# KiCad board geeks-ecu.kicad_pcb (continued)
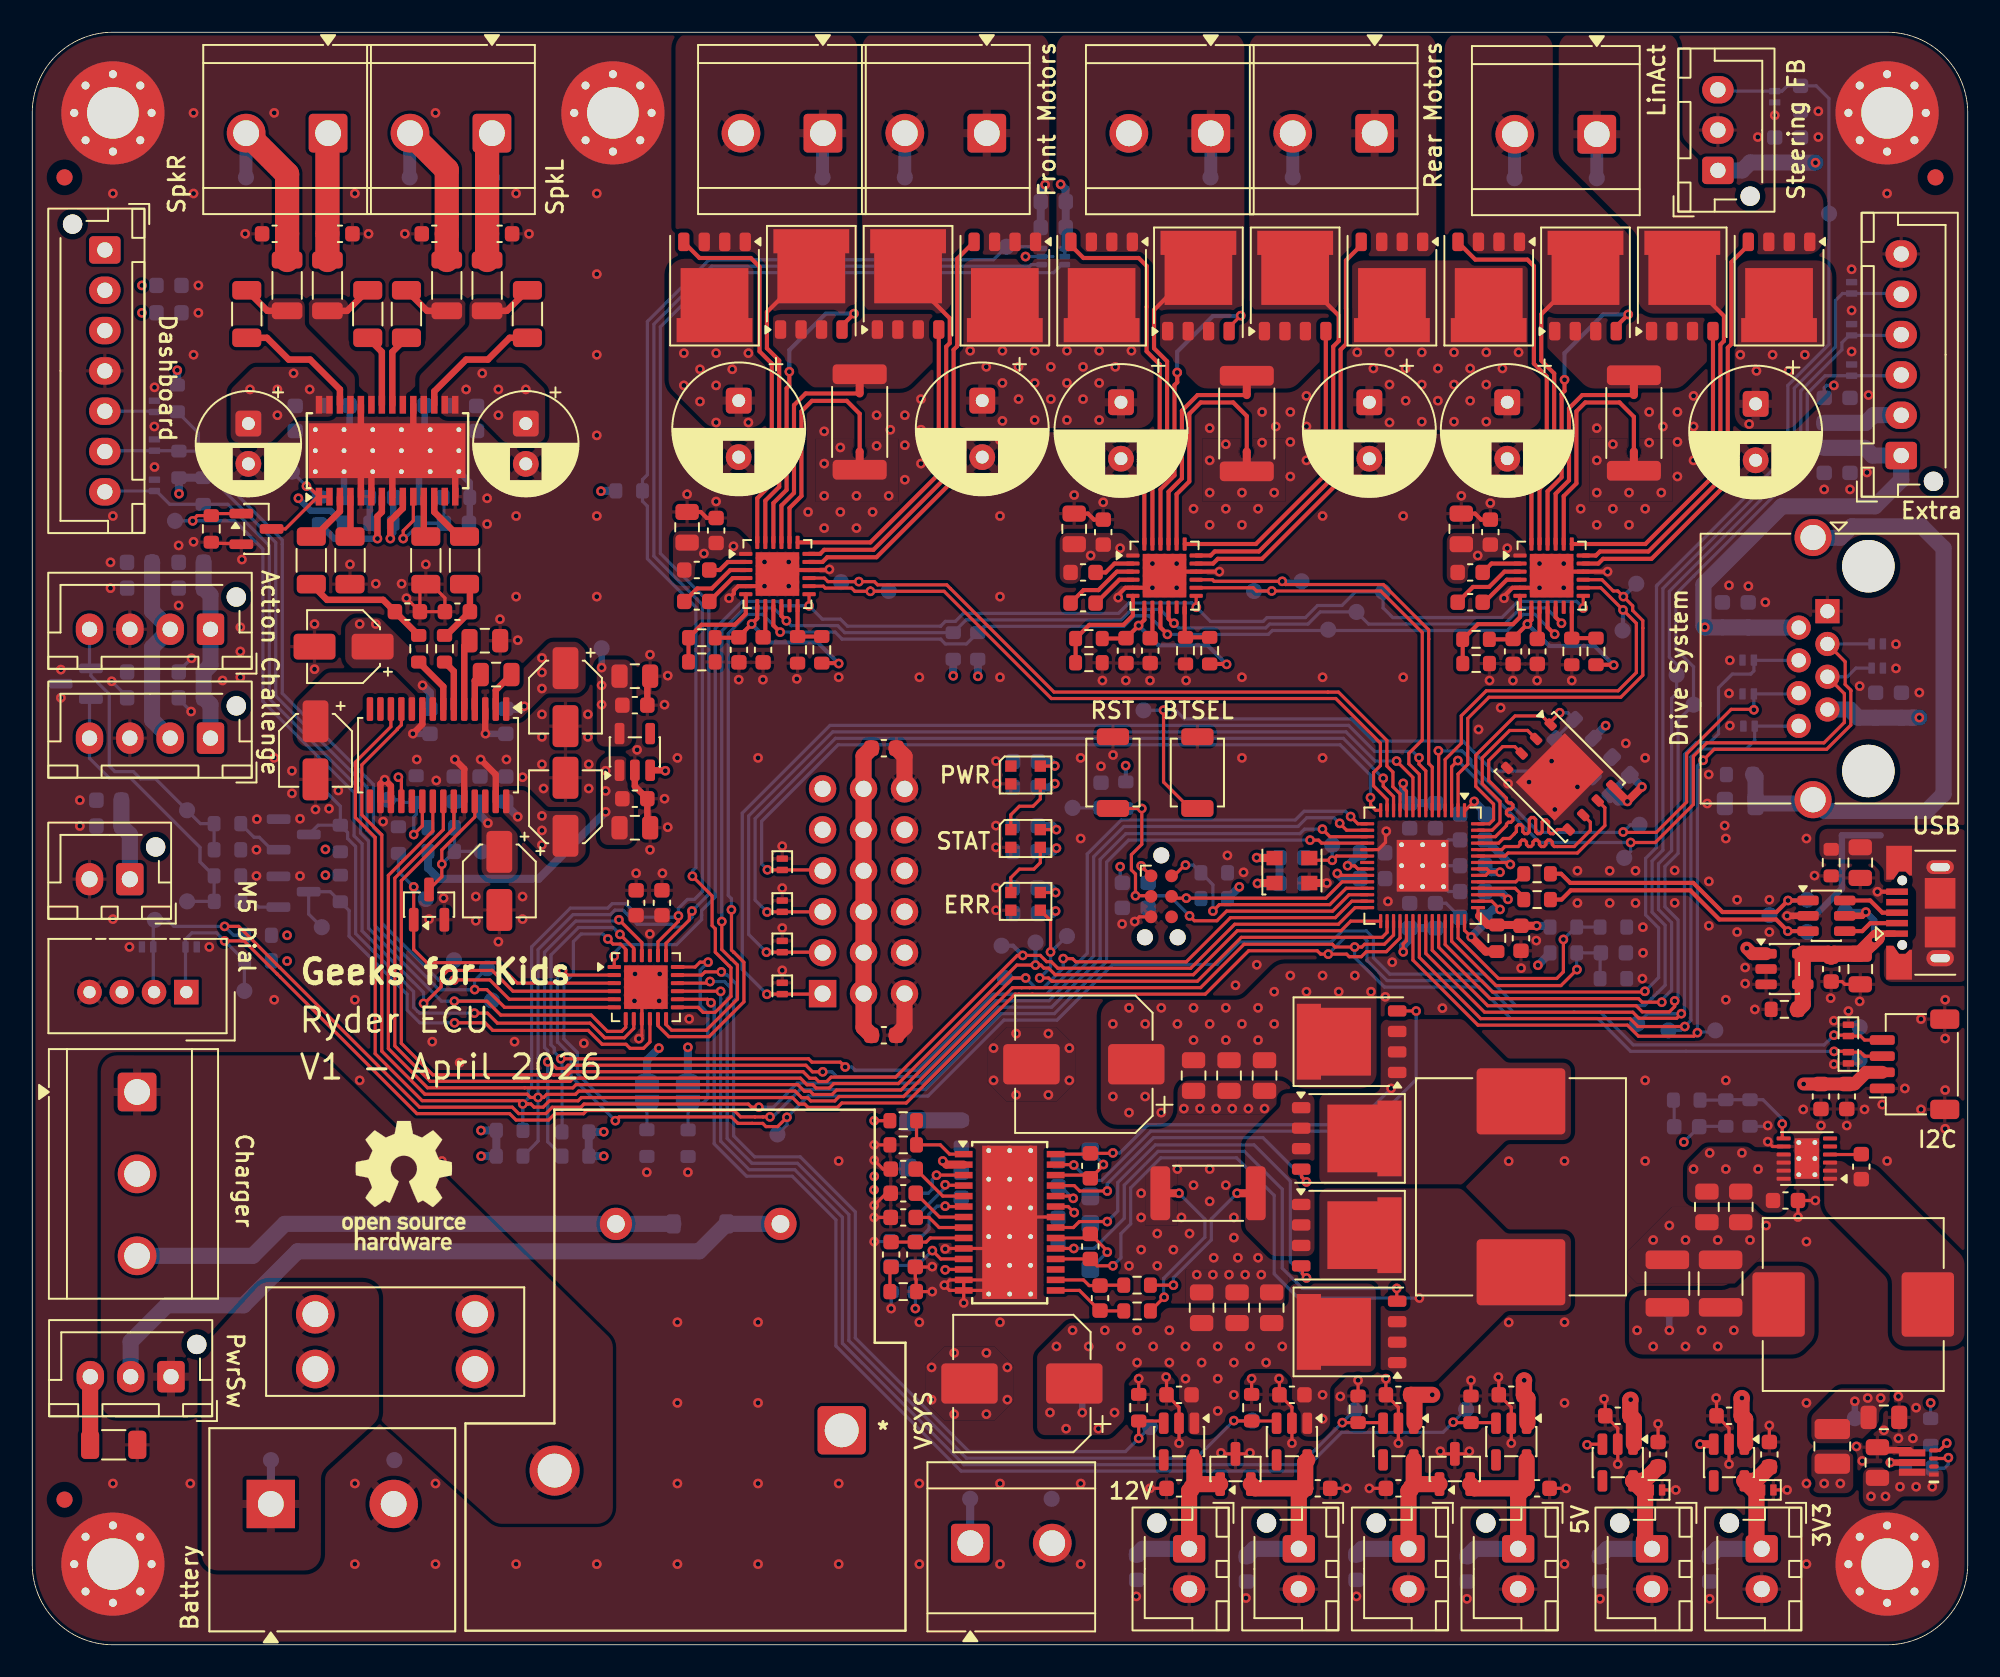
[diagram p0: board, top side]
## Placement (name value [footprint] x y rotation side) (continued)
R414  4.7kΩ  [R_0603_1608Metric]  29.6 30.3 0 bottom
R415  2.2kΩ  [R_0603_1608Metric]  14 44 180 bottom
R416  2.2kΩ  [R_0603_1608Metric]  14 42.41 180 bottom
R417  10kΩ  [R_0603_1608Metric]  33.68 30.3 180 bottom
R418  93.1kΩ  [R_0603_1608Metric]  94.93 42.91 0 bottom
R419  10kΩ  [R_0603_1608Metric]  98.03 41.31 0 bottom
R420  10kΩ  [R_0603_1608Metric]  40.66 31.1 270 bottom
R421  10kΩ  [R_0603_1608Metric]  33.68 31.8 180 bottom
R422  10kΩ  [R_0603_1608Metric]  38.11 31.11 270 bottom
R423  10kΩ  [R_0603_1608Metric]  8.99 77.29 270 bottom
R424  10kΩ  [R_0603_1608Metric]  9.09 73.2 90 bottom
R425  10kΩ  [R_0603_1608Metric]  10.6 71.55 270 bottom
R426  10kΩ  [R_0603_1608Metric]  58.62 61.94 90 bottom
R427  10kΩ  [R_0603_1608Metric]  57.1 61.94 90 bottom
R428  10kΩ  [R_0603_1608Metric]  37.01 71.56 0 bottom
R501  10kΩ  [R_0603_1608Metric]  19.1 46.9 270 bottom
R502  10kΩ  [R_0603_1608Metric]  19.1 50 90 bottom
R503  1kΩ  [R_0603_1608Metric]  12.11 46.1 180 bottom
R504  1kΩ  [R_0603_1608Metric]  12.1 50.92 180 bottom
R505  10kΩ  [R_0603_1608Metric]  12.1 47.68 0 bottom
R506  10kΩ  [R_0603_1608Metric]  12.1 49.3 0 bottom
R507  280kΩ  [R_0603_1608Metric]  105.86 53.97 180 bottom
R601  4.7kΩ  [R_0603_1608Metric]  41.51 62.45 180 top
R602  3.3kΩ  [R_0603_1608Metric]  41.51 60.95 0 top
R603  4.7kΩ  [R_0603_1608Metric]  48.95 61.7 90 top  (not fitted)
R604  200kΩ  [R_0603_1608Metric]  47.45 61.7 270 top
R605  8mΩ  [R_2512_6332Metric]  51.3 75.83 270 top
R701  4.7kΩ  [R_0603_1608Metric]  65.51 62.4 180 top
R702  3.3kΩ  [R_0603_1608Metric]  65.51 60.9 0 top
R703  4.7kΩ  [R_0603_1608Metric]  73 61.65 90 top  (not fitted)
R704  200kΩ  [R_0603_1608Metric]  71.5 61.65 270 top
R705  8mΩ  [R_2512_6332Metric]  75.3 75.73 270 top
R801  4.7kΩ  [R_0603_1608Metric]  89.51 62.35 180 top
R802  1kΩ  [R_0603_1608Metric]  89.52 60.85 0 top
R803  4.7kΩ  [R_0603_1608Metric]  96.95 61.6 90 top  (not fitted)
R804  200kΩ  [R_0603_1608Metric]  95.45 61.6 270 top
R805  8mΩ  [R_2512_6332Metric]  99.3 75.77 270 top
R901  10kΩ  [R_0603_1608Metric]  22.7 49.9 90 bottom
R902  10kΩ  [R_0603_1608Metric]  23.8 53.07 270 bottom
R903  5.11kΩ  [R_0603_1608Metric]  25.36 49.2 0 bottom
R904  10kΩ  [R_0603_1608Metric]  25.36 50.67 180 bottom
R905  470Ω  [R_0603_1608Metric]  25.56 61.77 90 top
R906  470Ω  [R_0603_1608Metric]  23.96 61.77 90 top
R907  10kΩ  [R_0603_1608Metric]  11.1 69.2 270 top
R908  280kΩ  [R_0603_1608Metric]  17.8 70.35 90 bottom
R909  10Ω  [R_0603_1608Metric]  20.1 69.55 0 bottom
R910  10kΩ  [R_0603_1608Metric]  23.2 69.55 0 bottom
R911  5.11kΩ  [R_0603_1608Metric]  26.3 71.15 0 bottom
REF**  -  [OSHW-Logo_7.5x8mm_SilkScreen]  23.03 28.48 0 top
REF**#2  -  [OSHW-Logo_7.5x8mm_SilkScreen]  94.57 31.71 180 bottom
SW401  SPST  [SW_SPST_TS-1088-xR020]  72.24 54.09 270 top
SW402  SPST  [SW_SPST_TS-1088-xR020]  67 54.09 270 top
TP101  TestPoint_Small  [TestPoint_Pad_D1.0mm]  88.9 14.6 180 bottom
TP102  TestPoint_Small  [TestPoint_Pad_D1.0mm]  75.65 13.9 180 bottom
TP103  TestPoint_Small  [TestPoint_Pad_D1.0mm]  82 14.55 180 bottom
TP104  TestPoint_Small  [TestPoint_Pad_D1.0mm]  69.3 13.5 180 bottom
TP105  TestPoint_Small  [TestPoint_Pad_D1.0mm]  60.3 41.35 180 bottom
TP106  TestPoint_Small  [TestPoint_Pad_D1.0mm]  62.2 43.55 180 bottom
TP107  TestPoint_Small  [TestPoint_Pad_D1.0mm]  113.3 38.3 180 bottom
TP108  TestPoint_Small  [TestPoint_Pad_D1.0mm]  24.4 46.25 180 bottom
TP109  TestPoint_Small  [TestPoint_Pad_D1.0mm]  50.15 65.9 180 bottom
TP110  TestPoint_Small  [TestPoint_Pad_D1.0mm]  82.1 64.05 180 bottom
TP111  TestPoint_Small  [TestPoint_Pad_D1.0mm]  78.7 65.95 180 bottom
TP112  TestPoint_Small  [TestPoint_Pad_D1.0mm]  99.45 65.8 180 bottom
TP113  TestPoint_Small  [TestPoint_Pad_D1.0mm]  60.1 43.35 180 bottom
TP114  TestPoint_Small  [TestPoint_Pad_D1.0mm]  113.3 36.3 180 bottom
TP115  TestPoint_Small  [TestPoint_Pad_D1.0mm]  8.85 69.7 180 bottom
TP116  TestPoint_Small  [TestPoint_Pad_D1.0mm]  83.75 65.3 180 bottom
TP117  TestPoint_Small  [TestPoint_Pad_D1.0mm]  53.1 65.35 180 bottom
TP118  TestPoint_Small  [TestPoint_Pad_D1.0mm]  80.35 62.95 180 bottom
TP119  TestPoint_Small  [TestPoint_Pad_D1.0mm]  75.75 65.35 180 bottom
TP120  TestPoint_Small  [TestPoint_Pad_D1.0mm]  98.6 62.9 180 bottom
TP121  TestPoint_Small  [TestPoint_Pad_D1.0mm]  46.2 31.65 180 bottom
TP122  TestPoint_Small  [TestPoint_Pad_D1.0mm]  101.95 60.15 180 bottom
TP123  TestPoint_Small  [TestPoint_Pad_D1.0mm]  103 58.3 180 bottom
TP124  TestPoint_Small  [TestPoint_Pad_D1.0mm]  28.5 39.95 180 bottom
TP125  TestPoint_Small  [TestPoint_Pad_D1.0mm]  28.2 41.95 180 bottom
TP126  TestPoint_Small  [TestPoint_Pad_D1.0mm]  26.15 42.45 180 bottom
TP127  TestPoint_Small  [TestPoint_Pad_D1.0mm]  17.7 52.95 180 bottom
TP128  TestPoint_Small  [TestPoint_Pad_D1.0mm]  17.95 44.5 180 bottom
TP129  TestPoint_Small  [TestPoint_Pad_D1.0mm]  7.6 44.95 180 bottom
TP130  TestPoint_Small  [TestPoint_Pad_D1.0mm]  13.15 40.55 180 bottom
TP135  TestPoint_Small  [TestPoint_Pad_D1.0mm]  111.4 88.75 180 bottom
TP136  TestPoint_Small  [TestPoint_Pad_D1.0mm]  99.5 38.5 180 bottom
TP137  TestPoint_Small  [TestPoint_Pad_D1.0mm]  104.35 38.1 180 bottom
TP138  TestPoint_Small  [TestPoint_Pad_D1.0mm]  98.7 48.8 180 bottom
TP139  TestPoint_Small  [TestPoint_Pad_D1.0mm]  99.65 50.85 180 bottom
TP140  TestPoint_Small  [TestPoint_Pad_D1.0mm]  101.45 38.1 180 bottom
TP141  TestPoint_Small  [TestPoint_Pad_D1.0mm]  58.15 9.05 180 bottom
TP142  TestPoint_Small  [TestPoint_Pad_D1.0mm]  63.2 9.05 180 bottom
TP143  TestPoint_Small  [TestPoint_Pad_D1.0mm]  14.8 11.45 180 bottom
TP144  TestPoint_Small  [TestPoint_Pad_D1.0mm]  22.45 11.45 180 bottom
TP145  TestPoint_Small  [TestPoint_Pad_D1.0mm]  28.5 91 180 bottom
TP146  TestPoint_Small  [TestPoint_Pad_D1.0mm]  23.4 91 180 bottom
TP147  TestPoint_Small  [TestPoint_Pad_D1.0mm]  18.35 91 180 bottom
TP148  TestPoint_Small  [TestPoint_Pad_D1.0mm]  13.25 91 180 bottom
TP149  TestPoint_Small  [TestPoint_Pad_D1.0mm]  54.1 91 180 bottom
TP150  TestPoint_Small  [TestPoint_Pad_D1.0mm]  49 91 180 bottom
TP151  TestPoint_Small  [TestPoint_Pad_D1.0mm]  78.15 91 180 bottom
TP152  TestPoint_Small  [TestPoint_Pad_D1.0mm]  73.05 91 180 bottom
TP153  TestPoint_Small  [TestPoint_Pad_D1.0mm]  97 90.95 180 bottom
TP154  TestPoint_Small  [TestPoint_Pad_D1.0mm]  91.9 90.95 180 bottom
TP201  TestPoint_Small  [TestPoint_Pad_D1.0mm]  65.1 15.9 180 bottom
TP301  TestPoint_Small  [TestPoint_Pad_D1.0mm]  101.5 20.75 180 bottom
TP302  TestPoint_Small  [TestPoint_Pad_D1.0mm]  113 14.05 180 bottom
TP401  TestPoint_Small  [TestPoint_Pad_D1.0mm]  80.6 49.6 180 bottom
TP402  TestPoint_Small  [TestPoint_Pad_D1.0mm]  64.15 43.95 180 bottom
TP403  TestPoint_Small  [TestPoint_Pad_D1.0mm]  64.5 51.9 180 bottom
TP404  TestPoint_Small  [TestPoint_Pad_D1.0mm]  68.9 57.95 180 bottom
TP405  TestPoint_Small  [TestPoint_Pad_D1.0mm]  110.05 46.2 180 bottom
TP406  TestPoint_Small  [TestPoint_Pad_D1.0mm]  110.05 44.2 180 bottom
TP407  TestPoint_Small  [TestPoint_Pad_D1.0mm]  112.4 45.45 180 bottom
TP408  TestPoint_Small  [TestPoint_Pad_D1.0mm]  107.7 45.25 180 bottom
TP409  TestPoint_Small  [TestPoint_Pad_D1.0mm]  60.4 86.7 180 bottom
TP501  TestPoint_Small  [TestPoint_Pad_D1.0mm]  9.6 46.1 180 bottom
TP502  TestPoint_Small  [TestPoint_Pad_D1.0mm]  9.6 51.75 180 bottom
TP901  TestPoint_Small  [TestPoint_Pad_D1.0mm]  22.05 52.4 180 bottom
TP902  TestPoint_Small  [TestPoint_Pad_D1.0mm]  27.85 49.2 180 bottom
TP903  TestPoint_Small  [TestPoint_Pad_D1.0mm]  35.3 61.8 180 bottom
TP904  TestPoint_Small  [TestPoint_Pad_D1.0mm]  16.1 72.75 180 bottom
U201  LM5176PWP  [HTSSOP-28-1EP_4.4x9.7mm_P0.65mm_EP3.4x9.5mm_ThermalVias]  60.6 26.2 0 top
U202  TMI6240  [SOT-23-5]  91.7 12.6 270 top
U203  TMI6240  [SOT-23-5]  84.7 12.6 270 top
U204  TMI6240  [SOT-23-5]  78.1 12.6 270 top
U205  TMI6240  [SOT-23-5]  71.1 12.6 270 top
U301  LMR51450SDRRR  [WSON-12-1EP_3x3mm_P0.5mm_EP1.5x2.5mm_ThermalVias]  110.02 30.15 180 top
U302  TLV62085  [RLT0007A]  117 11.3 180 top
U303  TMI6240  [SOT-23-5]  98.3 11.3 270 top
U304  TMI6240  [SOT-23-5]  105.2 11.3 270 top
U401  W25Q128JVP  [WSON-8-1EP_6x5mm_P1.27mm_EP3.4x4.3mm]  94.7 53.81 315 top
U402  USBLC6-2SC6  [SOT-23-6]  111.24 45.21 0 top
U403  TPS2065CDBVx-2  [SOT-23-5]  108.63 41.91 0 top
U404  RP2040  [QFN-56-1EP_7x7mm_P0.4mm_EP3.2x3.2mm_ThermalVias]  86.2 48.31 270 top
U405  AW9523B  [QFN-24-1EP_4x4mm_P0.5mm_EP2.7x2.7mm]  38.04 40.78 0 top
U406  TMP102xxDRL  [SOT-563]  63.3 86.09 0 bottom
U601  DRV8701P  [Texas_RGE0024H_VQFN-24-1EP_4x4mm_P0.5mm_EP2.7x2.7mm]  46.2 66.4 0 top
U701  DRV8701P  [Texas_RGE0024H_VQFN-24-1EP_4x4mm_P0.5mm_EP2.7x2.7mm]  70.2 66.3 0 top
U801  DRV8701P  [Texas_RGE0024H_VQFN-24-1EP_4x4mm_P0.5mm_EP2.7x2.7mm]  94.2 66.3 0 top
U901  PCM5121PW  [TSSOP-28_4.4x9.7mm_P0.65mm]  25.16 55.17 270 top
U902  AP2127K-3.3  [SOT-23-5]  37.36 55.37 90 top
U903  TPA3110D2  [HTSSOP-28-1EP_4.4x9.7mm_P0.65mm_EP3.4x9.5mm_Mask2.4x6.17mm_ThermalVias]  22 74.05 90 top
Y401  12MHz  [Oscillator_SMD_EuroQuartz_XO32-4Pin_3.2x2.5mm]  78.1 48.01 90 top

## Library data of the parts
C201 C202 = -: Datasheet: https://www.lcsc.com/datasheet/C696363.pdf; Description: CAP CER 15nF 25V C0G 0603; MPN: C696363; ki_fp_filters: C_*
C203 = -: Datasheet: https://www.lcsc.com/datasheet/C107038.pdf; Description: CAP CER 150pF 50V NP0 0603; MPN: C107038; ki_fp_filters: C_*
C204 = -: Datasheet: https://www.lcsc.com/datasheet/C311667.pdf?spm=wm.sxq.inf.ggs___wm.fly.bg.0.xh&lcsc_vid=ElldVlQDQlVXA1BeQgUMVlBQEVdaUVcARVFWXlFXRlcxVlNRQFJaV1NVR1ddUDsOAxUeFF5JWBYZEEoKFBINSQcJGk4eFQsCAgIaSgADAwAHC0slRlJdU1NRWQkaCgg%3D; Description: CAP ALUM HYBRID 68uF ±20% 50V SMD; MPn: C46528111; MPN: C311667; ki_fp_filters: CP_*
C205 C206 C208 C301-C303 C409 C604 C704 C804 C904 C913 = -: Datasheet: https://www.lcsc.com/datasheet/C2932476.pdf; Description: CAP CER 10uF 50V X5R 0805; MPN: C2932476; ki_fp_filters: C_*
C207 = -: Datasheet: https://www.lcsc.com/datasheet/C1622.pdf; Description: CAP CER 47nF 50V X7R 0603; MPN: C1622; ki_fp_filters: C_*
C209 = -: Datasheet: https://www.lcsc.com/datasheet/C107041.pdf; Description: CAP CER 180pF 50V NP0 0603; MPN: C107041; ki_fp_filters: C_*
C210 = -: Description: CAP CER 47pF 50V C0G 0603; MPN: C513324; ki_fp_filters: C_*
C211 C212 C215 C217 C228-C231 C304 C305 C314 C315 C405-C408 C410 C413-C415 C417-C419 C421-C423 C426-C429 C431 C433 C435 C506-C510 C512 C514 C518-C520 C524-C526 C603 C605 C703 C705 C803 C805 C901 C905-C909 C914 C926 C933 = -: Datasheet: https://www.lcsc.com/datasheet/C14663.pdf; Description: CAP CER 100nF 50V X7R 0603; MPN: C14663; ki_fp_filters: C_*
C213 C220-C227 C309 C310 C312 C313 C401-C403 C411 C412 C416 C420 C424 C425 C430 C432 C434 C501-C505 C511 C513 C515 C516 C521-C523 C601 C602 C606 C701 C702 C706 C801 C802 C806 C923 C924 C938 = -: Datasheet: https://www.lcsc.com/datasheet/lcsc_datasheet_2210171730_Samsung-Electro-Mechanics-CL10B105KB8NQNC_C5199872.pdf; Description: CAP CER 1uF 50V X7R 0603; MPN: C5199872; ki_fp_filters: C_*
C214 C216 C218 C306 = -: Description: CAP CER 22uF 25V X5R 0805; MPN: C5677683; ki_fp_filters: C_*
C219 = -: Datasheet: https://www.lcsc.com/datasheet/C133477.pdf?spm=wm.sxq.inf.ggs___wm.fly.bg.1.xh&lcsc_vid=ElldVlQDQlVXA1BeQgUMVlBQEVdaUVcARVFWXlFXRlcxVlNRQFJaV1VfRlVZUjsOAxUeFF5JWBYZEEoKFBINSQcJGk4eFQsCAgIaSgADAwAHC0slRldYVEoOAwwC; Description: CAP ALUM POLY 270uF ±20% 16V SMD; MPn: C2161621; MPN: C133477; ki_fp_filters: CP_*
C307 = -: Datasheet: https://www.lcsc.com/datasheet/C1663.pdf?spm=wm.sxq.inf.ggs___wm.ssy.bg.0.xh&lcsc_vid=ElldVlQDQlVXA1BeQgUMVlBQEVdaUVcARVFWXlFXRlcxVlNRQFJaV1VUTldcVzsOAxUeFF5JWBYZEEoKFBINSQcJGk4dAgUUFAk%3D; Description: CAP CER 33pF 50V C0G 0603; MPN: C1663; ki_fp_filters: C_*
C308 C311 = -: Datasheet: https://lcsc.com/datasheet/lcsc_datasheet_2410121645_Chinocera-HGC1210R5476M250NSVK_C7432791.pdf; Description: CAP CER 47uF 25V X5R 1210; MPN: C7432791; ki_fp_filters: C_*
C404 C517 = -: Datasheet: https://www.lcsc.com/datasheet/C565695.pdf; Description: CAP CER 4.7nF 1kV X7R 0805; MPN: C565695; ki_fp_filters: C_*
C607 C608 C707 C708 C807 C808 = -: Datasheet: https://www.lcsc.com/datasheet/C106559.pdf; Description: CAP ALUM 100uF ±20% 50V TH; MPN: C106559; ki_fp_filters: CP_*
C902 C903 C910 C917 C918 = -: Datasheet: https://www.lcsc.com/datasheet/C72485.pdf; Description: CAP ALUM 10uF ±20% 35V SMD; MPN: C72485; ki_fp_filters: CP_*
C911 C912 = -: Datasheet: https://www.lcsc.com/datasheet/C19110.pdf; Description: CAP CER 2.2uF 25V X7R 0805; MPN: C19110; ki_fp_filters: C_*
C915 C916 = -: Datasheet: https://www.lcsc.com/datasheet/C77033.pdf; Description: CAP CER 2.2nF 50V C0G 0603; MPN: C77033; ki_fp_filters: C_*
C919-C922 = -: Datasheet: https://www.lcsc.com/datasheet/C97946.pdf; Description: CAP CER 100nF 50V C0G 1206; MPN: C97946; ki_fp_filters: C_*
C925 C932 = -: Datasheet: https://www.lcsc.com/datasheet/C47891.pdf; Description: CAP ALUM 100uF ±20% 50V TH; MPN: C47891; ki_fp_filters: CP_*
C927-C930 = -: Datasheet: https://www.lcsc.com/datasheet/C464977.pdf; Description: CAP CER 220nF 50V C0G 1206; MPN: C464977; ki_fp_filters: C_*
C931 C934-C937 C939 = -: Datasheet: https://www.lcsc.com/datasheet/C77026.pdf; Description: CAP CER 1nF 50V C0G 0603; MPN: C77026; ki_fp_filters: C_*
D101 = -: Datasheet: https://www.lcsc.com/datasheet/C7420318.pdf?spm=wm.sxq.inf.ggs___wm.fly.bg.0.xh&lcsc_vid=RlhXVFwCQQVaU1dQQ1AMXwIARQBdUV1fRABaVVZTRVAxVlNRQFBaVFBVR1hWUjsOAxUeFF5JWBYZEEoKFBINSQcJGk4%3D; Description: DIODE GP 100V 150mA SOD-123; MPN: C7420318; ki_fp_filters: TO-???* *_Diode_* *SingleDiode* D_*
D201-D203 = -: Datasheet: https://www.lcsc.com/datasheet/C2922179.pdf; Description: DIODE SCHOTTKY 60V SOD-123FL; MPN: C2922179; ki_fp_filters: TO-???* *_Diode_* *SingleDiode* D_*
D204 D205 D502 = -: Description: TVS DIODE 12VWM 19VC SOT-23; MPN: C32677
D301 D302 D404 D405 D501 D503-D519 = -: Description: ESD DIODE 5VWM 10VC 13VC 15VC DFN1006-2L; MPN: C110694; ki_fp_filters: TO-???* *_Diode_* *SingleDiode* D_*
D401-D403 = -: Datasheet: https://cdn-shop.adafruit.com/product-files/4684/4684_WS2812B-2020_V1.3_EN.pdf; Description: RGB LED with integrated controller, 2.0 x 2.0 mm, 12 mA; MPN: C965555; ki_fp_filters: LED*WS2812*-2020_PLCC4*
F101 = -: Datasheet: https://www.lcsc.com/datasheet/C5249699.pdf?spm=wm.sxq.inf.ggs___wm.ssy.bg.0.xh&lcsc_vid=ElldVlQDQlVXA1BeQgUMVlBQEVdaUVcARVFWXlFXRlcxVlNRQFJdXl1UR1dYVjsOAxUeFF5JWBYZEEoKFBINSQcJGk4eFQsCAgIaSgADAwAHC0slRldeU1RSWQkaCgg%3D; Description: FUSE BLOCK BLADE 500V 30A PCB; MPN: C5249699; ki_fp_filters: *Fuse*
FB901-FB904 = -: Datasheet: https://datasheet.lcsc.com/lcsc/2205091530_YJYCOIN-YI321611Z121-6R0T_C3011219.pdf; Description: FERRITE BEAD 120Ω 1206 1LN; MPN: C3011219; ki_fp_filters: Inductor_* L_* *Ferrite*
FID101-FID106 = -: Description: Fiducial Marker; ki_fp_filters: Fiducial*
H101-H105 = -: Description: Mounting Hole with connection; ki_fp_filters: MountingHole*Pad*
J101 = -: Datasheet: https://www.lcsc.com/datasheet/C5873515.pdf; Description: TERM BLK 2POS 7.62mm; MPN: C5873515; ki_fp_filters: TerminalBlock*:*
J102 = -: Datasheet: https://www.lcsc.com/datasheet/C3820511.pdf; Description: TERM BLK 3POS 5.08mm; MPN: C3820511; ki_fp_filters: TerminalBlock*:*
J103 = -: Datasheet: https://www.lcsc.com/datasheet/C161870.pdf; Description: CONN HEADER TH 3POS 2.5mm; MPN: C161870; ki_fp_filters: Connector*:*_1x??_*
J104-J111 = -: Datasheet: https://www.lcsc.com/datasheet/C3816270.pdf; Description: TERM BLK 2POS 5.08mm; MPN: C3816270; ki_fp_filters: TerminalBlock*:*
J201-J204 J504 = -: Datasheet: https://www.lcsc.com/datasheet/C495547.pdf; Description: CONN HEADER TH 2POS 2.5mm; MPN: C495547; ki_fp_filters: Connector*:*_1x??_*
J301 = -: Datasheet: https://www.lcsc.com/datasheet/C158012.pdf; Description: CONN HEADER TH 2POS 2.5mm; MPN: C495685; ki_fp_filters: Connector*:*_1x??_*
J302 = -: Datasheet: https://www.lcsc.com/datasheet/C495547.pdf; Description: CONN HEADER TH 2POS 2.5mm; MPN: C717172; ki_fp_filters: Connector*:*_1x??_*
J401 = -: Datasheet: https://www.lcsc.com/datasheet/C397452.pdf; Description: CONN RCPT Micro-B 5POS SMD; MPN: C397452; ki_fp_filters: USB*Micro*B*
J402 = -: Datasheet: https://www.tag-connect.com/wp-content/uploads/bsk-pdf-manager/TC2030-CTX_1.pdf; Description: Tag-Connect ARM Cortex SWD JTAG connector, 6 pin, no legs; ki_fp_filters: *TC2030*
J403 = -: Datasheet: https://www.lcsc.com/datasheet/C160404.pdf?spm=wm.sxq.inf.ggs___wm.ssy.bg.1.xh&lcsc_vid=ElldVlQDQlVXA1BeQgUMVlBQEVdaUVcARVFWXlFXRlcxVlNRQFJdXlxWRFVcVzsOAxUeFF5JWBYZEEoKFBINSQcJGk4dAgUUFAk%3D; Description: CONN HEADER SMD R/A 4POS 1mm; MPN: C160404; ki_fp_filters: Connector*:*_1x??-1MP*
J501 J502 = -: Datasheet: https://www.lcsc.com/datasheet/C161871.pdf; Description: CONN HEADER TH 4POS 2.5mm; MPN: C161871; ki_fp_filters: Connector*:*_1x??_*
J503 = -: Description: CONN HEADER TH 4POS 2.0mm; MPN: 110990030; ki_fp_filters: Connector*:*_1x??_*
J505 = -: Datasheet: https://www.lcsc.com/datasheet/C161874.pdf?spm=wm.sxq.inf.ggs___wm.ssy.bg.1.xh&lcsc_vid=QFUPAQYHE1RXBFVSQVFcU11UQFYPAlEEElZaVgJXT1gxVlNRQFNaUlRWT1JdVTsOAxUeFF5JWBYZEEoKFBINSQcJGk4eFQsCAgIaSgADAwAHC0slRldfX1NXWQkaCgg%3D; Description: CONN HEADER TH 7POS 2.5mm; MPN: C161874; ki_fp_filters: Connector*:*_1x??_*
J507 = -: Description: RJ connector, 8P8C (8 positions 8 connected), Shielded; ki_fp_filters: 8P8C* RJ31* RJ32* RJ33* RJ34* RJ35* RJ41* RJ45* RJ49* RJ61*
J508 = -: Description: CONN HEADER TH 3POS 2.5mm; ki_fp_filters: Connector*:*_1x??_*
J509 = -: Datasheet: https://www.lcsc.com/datasheet/C161873.pdf; Description: CONN HEADER TH 6POS 2.5mm; MPN: C161873; ki_fp_filters: Connector*:*_1x??_*
JP401 JP402 = -: Description: Solder Jumper, 2-pole, open; ki_fp_filters: SolderJumper*Open*
K101 = -: Description: Relay SPST, normally open, EN50005; MPN: J115F11A24VDCS6.9; ki_fp_filters: Relay?SPST*
L201 = -: Datasheet: https://www.lcsc.com/datasheet/C5349636.pdf; Description: FIXED IND 3.3uH 19.5A 6.4mΩ SMD,13.5x12.8mm; MPN: C5349636; ki_fp_filters: Choke_* *Coil* Inductor_* L_*
L301 = -: Datasheet: https://www.lcsc.com/datasheet/C5832368.pdf; Description: FIXED IND 0.47uH 6.5A 13mΩ SMD,2x2.5mm; MPN: C5832368; ki_fp_filters: Choke_* *Coil* Inductor_* L_*
L302 = -: Datasheet: https://lcsc.com/datasheet/lcsc_datasheet_2410121929_TECHFUSE-SL1050-4R7M_C22463842.pdf; Description: FIXED IND 4.7uH 10A SMD,11x10.5mm; MPN: C22463842; ki_fp_filters: Choke_* *Coil* Inductor_* L_*
NT201 NT202 NT601 NT602 NT701 NT702 NT801 NT802 = -: ki_fp_filters: Net*Tie*
Q201 Q202 Q601-Q604 Q701-Q704 Q801-Q804 = -: Datasheet: https://www.lcsc.com/datasheet/C41354975.pdf; Description: MOSFET N-CH 60V 45A PDFN-8L(5x6); MPN: C41354975
Q203 Q204 = -: Datasheet: https://www.lcsc.com/datasheet/C508835.pdf; Description: MOSFET N-CH 30V 52A PRPAK5x6-8L; MPN: C508835
Q501 Q502 Q901 Q902 = -: Datasheet: https://www.lcsc.com/datasheet/C22446827.pdf; Description: MOSFET N-CH 60V 380mA SOT-23; MPN: C22446827
R101 = -: Datasheet: https://www.lcsc.com/datasheet/C137377.pdf?spm=wm.sxq.inf.ggs___wm.fly.bg.1.xh&lcsc_vid=RlhXVFwCQQVaU1dQQ1AMXwIARQBdUV1fRABaVVZTRVAxVlNRQFBaVFBVR1hWUjsOAxUeFF5JWBYZEEoKFBINSQcJGk4%3D; Description: RES 1.1kΩ ±1% 250mW 1206; MPN: C137377; ki_fp_filters: R_*
R201 = -: Datasheet: https://www.lcsc.com/datasheet/C22918.pdf; Description: RES 249kΩ ±1% 100mW 0603; MPN: C22918; ki_fp_filters: R_*
R202 = -: Datasheet: https://www.lcsc.com/datasheet/C23082.pdf; Description: RES 57.6kΩ ±1% 100mW 0603; MPN: C23082; ki_fp_filters: R_*
R203 = -: Datasheet: https://www.lcsc.com/datasheet/C22865.pdf; Description: RES 12.4kΩ ±1% 100mW 0603; MPN: C22865; ki_fp_filters: R_*
R204 R418 = -: Datasheet: https://www.lcsc.com/datasheet/C23266.pdf; Description: RES 93.1kΩ ±1% 100mW 0603; MPN: C23266; ki_fp_filters: R_*
R205 = -: Datasheet: https://www.lcsc.com/datasheet/C23346.pdf; Description: RES 23.2kΩ ±1% 100mW 0603; MPN: C23346; ki_fp_filters: R_*
R206 R207 = -: Datasheet: https://www.lcsc.com/datasheet/C22775.pdf; Description: RES 100Ω ±1% 100mW 0603; MPN: C22775; ki_fp_filters: R_*
R208 = -: Datasheet: https://www.lcsc.com/datasheet/C22975.pdf; Description: RES 2kΩ ±1% 100mW 0603; MPN: C22975; ki_fp_filters: R_*
R209 R410 R909 = -: Datasheet: https://www.lcsc.com/datasheet/C109318.pdf; Description: RES 10Ω ±1% 100mW 0603; MPN: C109318; ki_fp_filters: R_*
R210 R605 R705 R805 = -: Datasheet: https://www.lcsc.com/datasheet/C509729.pdf; Description: RES 8mΩ ±1% 2W 2512; MPN: C509729; ki_fp_filters: R_*
R211 R402 R507 R908 = -: Datasheet: https://www.lcsc.com/datasheet/C22970.pdf; Description: RES 280kΩ ±1% 100mW 0603; MPN: C22970; ki_fp_filters: R_*
R212 = -: Datasheet: https://www.lcsc.com/datasheet/C4184.pdf; Description: RES 20kΩ ±1% 100mW 0603; MPN: C4184; ki_fp_filters: R_*
R213-R216 R403-R407 R411 R412 R417 R419-R428 R501 R502 R505 R506 R901 R902 R904 R910 = -: Datasheet: https://www.lcsc.com/datasheet/C25804.pdf; Description: RES 10kΩ ±1% 100mW 0603; MPN: C25804; ki_fp_filters: R_*
R301 = -: Datasheet: https://www.lcsc.com/datasheet/C23192.pdf; Description: RES 510kΩ ±1% 100mW 0603; MPN: C23192; ki_fp_filters: R_*
R302 = -: Datasheet: https://www.lcsc.com/datasheet/C22815.pdf; Description: RES 162kΩ ±1% 100mW 0603; MPN: C22815; ki_fp_filters: R_*
R303 = -: Datasheet: https://www.lcsc.com/datasheet/C25803.pdf?spm=wm.sxq.inf.ggs___wm.ssy.bg.2.xh&lcsc_vid=ElldVlQDQlVXA1BeQgUMVlBQEVdaUVcARVFWXlFXRlcxVlNRQFJdXlBURVFaUzsOAxUeFF5JWBYZEEoKFBINSQcJGk4dAgUUFAk%3D; Description: RES 100kΩ ±1% 100mW 0603; MPN: C25803; ki_fp_filters: R_*
R304 = -: Datasheet: https://www.lcsc.com/datasheet/C22897.pdf?spm=wm.sxq.inf.ggs___wm.ssy.bg.1.xh&lcsc_vid=ElldVlQDQlVXA1BeQgUMVlBQEVdaUVcARVFWXlFXRlcxVlNRQFJdXldRQlZZVjsOAxUeFF5JWBYZEEoKFBINSQcJGk4eFQsCAgIaSgADAwAHC0slRVBfXlRIHxUDCw%3D%3D; Description: RES 19.1kΩ ±1% 100mW 0603; MPN: C22897; ki_fp_filters: R_*
R305 R503 R504 = -: Datasheet: https://www.lcsc.com/datasheet/C21190.pdf?spm=wm.sxq.inf.ggs&lcsc_vid=ElldVlQDQlVXA1BeQgUMVlBQEVdaUVcARVFWXlFXRlcxVlNRQFJaVlFVR1hZVTsOAxUeFF5JWBYZEEoKFBINSQcJGk4eFQsCAgIaSgADAwAHC0slRFBfUVJRWQkaCgg%3D; Description: RES 1kΩ ±1% 100mW 0603; MPN: C21190; ki_fp_filters: R_*
R401 R802 = -: Datasheet: https://www.lcsc.com/datasheet/C21190.pdf; Description: RES 1kΩ ±1% 100mW 0603; MPN: C21190; ki_fp_filters: R_*
R408 R409 = -: Datasheet: https://www.lcsc.com/datasheet/C25190.pdf; Description: RES 27Ω ±1% 100mW 0603; MPN: C25190; ki_fp_filters: R_*
R413 R414 R601 R603 R701 R703 R801 R803 = -: Datasheet: https://www.lcsc.com/datasheet/C23162.pdf; Description: RES 4.7kΩ ±1% 100mW 0603; MPN: C23162; ki_fp_filters: R_*
R415 R416 = -: Datasheet: https://www.lcsc.com/datasheet/C4190.pdf?spm=wm.sxq.inf.ggs___wm.ssy.bg.0.xh&lcsc_vid=ElldVlQDQlVXA1BeQgUMVlBQEVdaUVcARVFWXlFXRlcxVlNRQFJdXlVTRlVZVDsOAxUeFF5JWBYZEEoKFBINSQcJGk4dAgUUFAk%3D; Description: RES 2.2kΩ ±1% 100mW 0603; MPN: C4190; ki_fp_filters: R_*
R602 R702 = -: Datasheet: https://www.lcsc.com/datasheet/C22978.pdf; Description: RES 3.3kΩ ±1% 100mW 0603; MPN: C22978; ki_fp_filters: R_*
R604 R704 R804 = -: Datasheet: https://www.lcsc.com/datasheet/C25811.pdf; Description: RES 200kΩ ±1% 100mW 0603; MPN: C25811; ki_fp_filters: R_*
R903 R911 = -: Datasheet: https://www.lcsc.com/datasheet/C23067.pdf; Description: RES 5.11kΩ ±1% 100mW 0603; MPN: C23067; ki_fp_filters: R_*
R905 R906 = -: Datasheet: https://www.lcsc.com/datasheet/C23179.pdf; Description: RES 470Ω ±1% 100mW 0603; MPN: C23179; ki_fp_filters: R_*
R907 = -: Datasheet: https://www.lcsc.com/datasheet/C25804.pdf; Description: 100mW 10kΩ 75V ±100ppm/℃ Thick Film Resistor ±1% 0603 Chip Resistor - Surface Mount ROHS; MPN: C25804; ki_fp_filters: R_*
SW401 SW402 = -: Datasheet: https://www.lcsc.com/datasheet/C720477.pdf; Description: SWITCH TACTILE SPST 160gf SMD; MPN: C720477
TP101-TP130 TP135-TP154 TP201 TP301 TP302 TP401-TP409 TP501 TP502 TP901-TP904 = -: Description: test point; ki_fp_filters: Pin* Test*
U201 = -: Datasheet: http://www.ti.com/lit/ds/symlink/lm5176.pdf; Description: 4-Switch Synchronous Buck-Boost Controller; MPN: C442493; ki_fp_filters: HTSSOP*4.4x9.7mm*P0.65*ThermalVias*
U202-U205 U303 U304 = -: Datasheet: https://www.lcsc.com/datasheet/C2979914.pdf; Description: 18V, Power Switch with Programmable Soft-start; MPN: C2979914; ki_fp_filters: SOT?23*
U301 = -: Datasheet: https://www.ti.com/lit/ds/symlink/lmr51450.pdf?ts=1754155740628; Description: Buck Switching Regulator IC Positive Adjustable 0.8V 1 Output 5A 12-WFDFN Exposed Pad; MPN: C6890985
U302 = -: Datasheet: https://www.ti.com/lit/ds/symlink/tlv62085.pdf?ts=1765059383965; Description: High-efficiency Step-down Converter; MPN: C477932
U401 = -: Datasheet: https://www.winbond.com/resource-files/w25q128jv_dtr%20revc%2003272018%20plus.pdf; Description: 128Mbit / 16MiB Serial Flash Memory, Standard/Dual/Quad SPI, 2.7-3.6V, WSON-8; MPN: C190862; ki_fp_filters: WSON*1EP*6x5mm*P1.27mm*EP3.4x4.3mm*
U402 = -: Datasheet: https://www.st.com/resource/en/datasheet/usblc6-2.pdf; Description: ESD DIODE 5.25VWM 17VC SOT-23-6L; MPN: C7519; ki_fp_filters: SOT?23*
U403 = -: Datasheet: https://www.ti.com/lit/ds/symlink/tps2051c.pdf; Description: 1A Current limited power switch, single channel, reverse blocking, SOT-23-5; MPN: C2877795; ki_fp_filters: SOT?23*
U404 = -: Datasheet: https://datasheets.raspberrypi.com/rp2040/rp2040-datasheet.pdf; Description: A microcontroller by Raspberry Pi; MPN: C2040; ki_fp_filters: QFN*1EP*7x7mm?P0.4mm*
U405 = -: Datasheet: https://cdn-shop.adafruit.com/product-files/4886/AW9523+English+Datasheet.pdf; Description: 16 multi-function led driver and gpio controller with i2c interface; MPN: C148077; ki_fp_filters: QFN*1EP*4x4mm*P0.5mm*EP2.7x2.7mm*
U406 = -: Datasheet: https://www.ti.com/lit/ds/symlink/tmp102.pdf; Description: Digital Temperature Sensor, ±3°C, low-Power, SMBus, 12 bit, Two-Wire Serial Interface, SOT-563; MPN: C99269; ki_fp_filters: SOT?563*
U601 U701 U801 = -: Datasheet: https://www.ti.com/lit/ds/symlink/drv8701.pdf?ts=1680889436714&ref_url=https%253A%252F%252Fwww.ti.com%252Fproduct%252FDRV8701%253FkeyMatch%253DDRV8701%2526tisearch%253Dsearch-everything%2526usecase%253DGPN; Description: IC MOTOR DRIVER 0V-5.5V 24VQFN; MPN: C114178
U901 = -: Datasheet: http://www.ti.com/lit/ds/symlink/pcm5121.pdf; Description: 2VRMS DirectPath, 106dB Audio Stereo DAC with 32-bit, 384kHz PCM Interface, TSSOP-28; MPN: C2651652; ki_fp_filters: TSSOP*4.4x9.7mm*P0.65mm*
U902 = -: Datasheet: https://www.diodes.com/assets/Datasheets/AP2127.pdf; Description: 300mA low dropout linear regulator, shutdown pin, 2.5V-6V input voltage, 3.3V fixed positive output, SOT-23-5; MPN: C156285; ki_fp_filters: SOT?23?5*
U903 = -: Datasheet: https://www.ti.com/lit/ds/symlink/tpa3110d2.pdf?HQS=dis-dk-null-digikeymode-dsf-pf-null-wwe&ts=1690057414294&ref_url=https%253A%252F%252Fwww.ti.com%252Fgeneral%252Fdocs%252Fsuppproductinfo.tsp%253FdistId%253D10%2526gotoUrl%253Dhttps%253A%252F%252Fwww.ti.com%252Flit%252Fgpn%252Ftpa3110d2; Description: Filter-Free Stereo Class-D Audio Power Amplifier With SpeakerGuard; MPN: C30132
Y401 = -: Datasheet: https://www.lcsc.com/datasheet/C37635414.pdf; Description: XTAL OSC 12MHz CMOS SMD; MPN: C37635414; ki_fp_filters: Oscillator*SMD*EuroQuartz*XO32*3.2x2.5mm*

## Footprints (pads in the part's own frame, mm; a bottom-side part is the same pattern mirrored in y, then rotated)
C_0603_1608Metric
  rrect 0.9x0.95 smd: 1(-0.775,0) 2(0.775,0)
C_0805_2012Metric
  rrect 1x1.45 smd: 1(-0.95,0) 2(0.95,0)
C_1206_3216Metric
  rrect 1.15x1.8 smd: 1(-1.475,0) 2(1.475,0)
C_1210_3225Metric
  rrect 1.15x2.7 smd: 1(-1.475,0) 2(1.475,0)
CP_Elec_4x5.4
  rrect 2.6x1.6 smd: 1(-1.8,0) 2(1.8,0)
CP_Elec_8x10
  rrect 3.5x2.5 smd: 1(-3.25,0) 2(3.25,0)
CP_Radial_D6.3mm_P2.50mm
  rrect 1.6x1.6 hole 0.8: 1(0,0)
  round 1.6 hole 0.8: 2(2.5,0)
CP_Radial_D8.0mm_P3.50mm
  rrect 1.6x1.6 hole 0.8: 1(0,0)
  round 1.6 hole 0.8: 2(3.5,0)
D_SOD-123
  rrect 0.9x1.2 smd: 1(-1.65,0) 2(1.65,0)
D_SOD-123F
  rrect 1.1x1.1 smd: 1(-1.4,0) 2(1.4,0)
D_SOD-882
  rrect 0.3x0.6 smd: (-0.35,0) (0.35,0)
  rrect 0.4x0.7 smd: 1(-0.35,0) 2(0.35,0)
Fiducial_1mm_Mask2mm
  round 1 smd: (0,0)
HTSSOP-28-1EP_4.4x9.7mm_P0.65mm_EP3.4x9.5mm_Mask2.4x6.17mm_ThermalVias
  rect 0.9x1.4 smd: (-0.6,1.78) (-0.6,0) (-0.6,-1.78) (0.6,1.78) (0.6,0) (0.6,-1.78)
  rect 2.4x6.17 smd: (0,0)
  rect 1.1x0.4 smd: 1(-2.85,4.225) 2(-2.85,3.575) 3(-2.85,2.925) 4(-2.85,2.275) 5(-2.85,1.625) 6(-2.85,0.975) 7(-2.85,0.325) 8(-2.85,-0.325) 9(-2.85,-0.975) 10(-2.85,-1.625) 11(-2.85,-2.275) 12(-2.85,-2.925) 13(-2.85,-3.575) 14(-2.85,-4.225) 15(2.85,-4.225) 16(2.85,-3.575) 17(2.85,-2.925) 18(2.85,-2.275) 19(2.85,-1.625) 20(2.85,-0.975) 21(2.85,-0.325) 22(2.85,0.325) 23(2.85,0.975) 24(2.85,1.625) 25(2.85,2.275) 26(2.85,2.925) 27(2.85,3.575) 28(2.85,4.225)
  round 0.6 hole 0.3: 29(-1.3,4.45) 29(-1.3,2.67) 29(-1.3,0.89) 29(-1.3,-0.89) 29(-1.3,-2.67) 29(-1.3,-4.45) 29(0,4.45) 29(0,2.67) 29(0,0.89) 29(0,-0.89) 29(0,-2.67) 29(0,-4.45) 29(1.3,4.45) 29(1.3,2.67) 29(1.3,0.89) 29(1.3,-0.89) 29(1.3,-2.67) 29(1.3,-4.45)
  rect 3.4x9.7 smd: 29(0,0)
  rect 3.4x9.7 smd far side: 29(0,0)
HTSSOP-28-1EP_4.4x9.7mm_P0.65mm_EP3.4x9.5mm_ThermalVias
  rect 1.4x1.4 smd: (-0.85,3.56) (-0.85,1.78) (-0.85,0) (-0.85,-1.78) (-0.85,-3.56) (0.85,3.56) (0.85,1.78) (0.85,0) (0.85,-1.78) (0.85,-3.56)
  rect 1.1x0.4 smd: 1(-2.85,4.225) 2(-2.85,3.575) 3(-2.85,2.925) 4(-2.85,2.275) 5(-2.85,1.625) 6(-2.85,0.975) 7(-2.85,0.325) 8(-2.85,-0.325) 9(-2.85,-0.975) 10(-2.85,-1.625) 11(-2.85,-2.275) 12(-2.85,-2.925) 13(-2.85,-3.575) 14(-2.85,-4.225) 15(2.85,-4.225) 16(2.85,-3.575) 17(2.85,-2.925) 18(2.85,-2.275) 19(2.85,-1.625) 20(2.85,-0.975) 21(2.85,-0.325) 22(2.85,0.325) 23(2.85,0.975) 24(2.85,1.625) 25(2.85,2.275) 26(2.85,2.925) 27(2.85,3.575) 28(2.85,4.225)
  round 0.6 hole 0.3: 29(-1.3,4.45) 29(-1.3,2.67) 29(-1.3,0.89) 29(-1.3,-0.89) 29(-1.3,-2.67) 29(-1.3,-4.45) 29(0,4.45) 29(0,2.67) 29(0,0.89) 29(0,-0.89) 29(0,-2.67) 29(0,-4.45) 29(1.3,4.45) 29(1.3,2.67) 29(1.3,0.89) 29(1.3,-0.89) 29(1.3,-2.67) 29(1.3,-4.45)
  rect 3.4x9.5 smd: 29(0,0)
  rect 3.4x9.5 smd far side: 29(0,0)
J115F11A
  rrect 3x3 hole 2.1: 13(0,0)
  round 3.1 hole 2.1: 14(17.8,2.5)
  round 2 hole 1.1: A1(3.8,-12.8) A2(14,-12.8)
JST_SH_SM04B-SRSS-TB_1x04-1MP_P1.00mm_Horizontal
  rrect 0.6x1.55 smd: 1(-1.5,2) 2(-0.5,2) 3(0.5,2) 4(1.5,2)
  rrect 1.2x1.8 smd: MP(-2.8,-1.875) MP(2.8,-1.875)
JST_XH_B2B-XH-AM_1x02_P2.50mm_Vertical
  round 1.2 hole 1.2 unplated: (-1.6,-2)
  rrect 1.7x2 hole 1: 1(0,0)
  oval 1.7x2 hole 1: 2(2.5,0)
JST_XH_B3B-XH-AM_1x03_P2.50mm_Vertical
  round 1.2 hole 1.2 unplated: (-1.6,-2)
  rrect 1.7x1.95 hole 0.95: 1(0,0)
  oval 1.7x1.95 hole 0.95: 2(2.5,0) 3(5,0)
JST_XH_B4B-XH-AM_1x04_P2.50mm_Vertical
  round 1.2 hole 1.2 unplated: (-1.6,-2)
  rrect 1.7x1.95 hole 0.95: 1(0,0)
  oval 1.7x1.95 hole 0.95: 2(2.5,0) 3(5,0) 4(7.5,0)
JST_XH_B6B-XH-AM_1x06_P2.50mm_Vertical
  round 1.2 hole 1.2 unplated: (-1.6,-2)
  rrect 1.7x1.95 hole 0.95: 1(0,0)
  oval 1.7x1.95 hole 0.95: 2(2.5,0) 3(5,0) 4(7.5,0) 5(10,0) 6(12.5,0)
JST_XH_B7B-XH-AM_1x07_P2.50mm_Vertical
  round 1.2 hole 1.2 unplated: (-1.6,-2)
  rrect 1.7x1.95 hole 0.95: 1(0,0)
  oval 1.7x1.95 hole 0.95: 2(2.5,0) 3(5,0) 4(7.5,0) 5(10,0) 6(12.5,0) 7(15,0)
Keystone_3568
  round 2.4 hole 1.6: 1(-4.95,1.7) 1(-4.95,-1.7) 2(4.95,1.7) 2(4.95,-1.7)
L_1008_2520Metric
  rrect 1.25x2.2 smd: 1(-1.075,0) 2(1.075,0)
L_1206_3216Metric
  rrect 1.05x1.9 smd: 1(-1.575,0) 2(1.575,0)
L_APV_APH1265
  rrect 4.1x5.5 smd: 1(-5.3,0) 2(5.3,0)
L_TechFuse_SL1050
  rrect 3.25x4 smd: 1(-4.625,0) 2(4.625,0)
LED_WS2812B-2020_PLCC4_2.0x2.0mm
  rect 0.7x0.7 smd: 1(-0.915,0.55) 2(-0.915,-0.55) 3(0.915,-0.55) 4(0.915,0.55)
